# KiCad board VehicleControlUnit.kicad_pcb
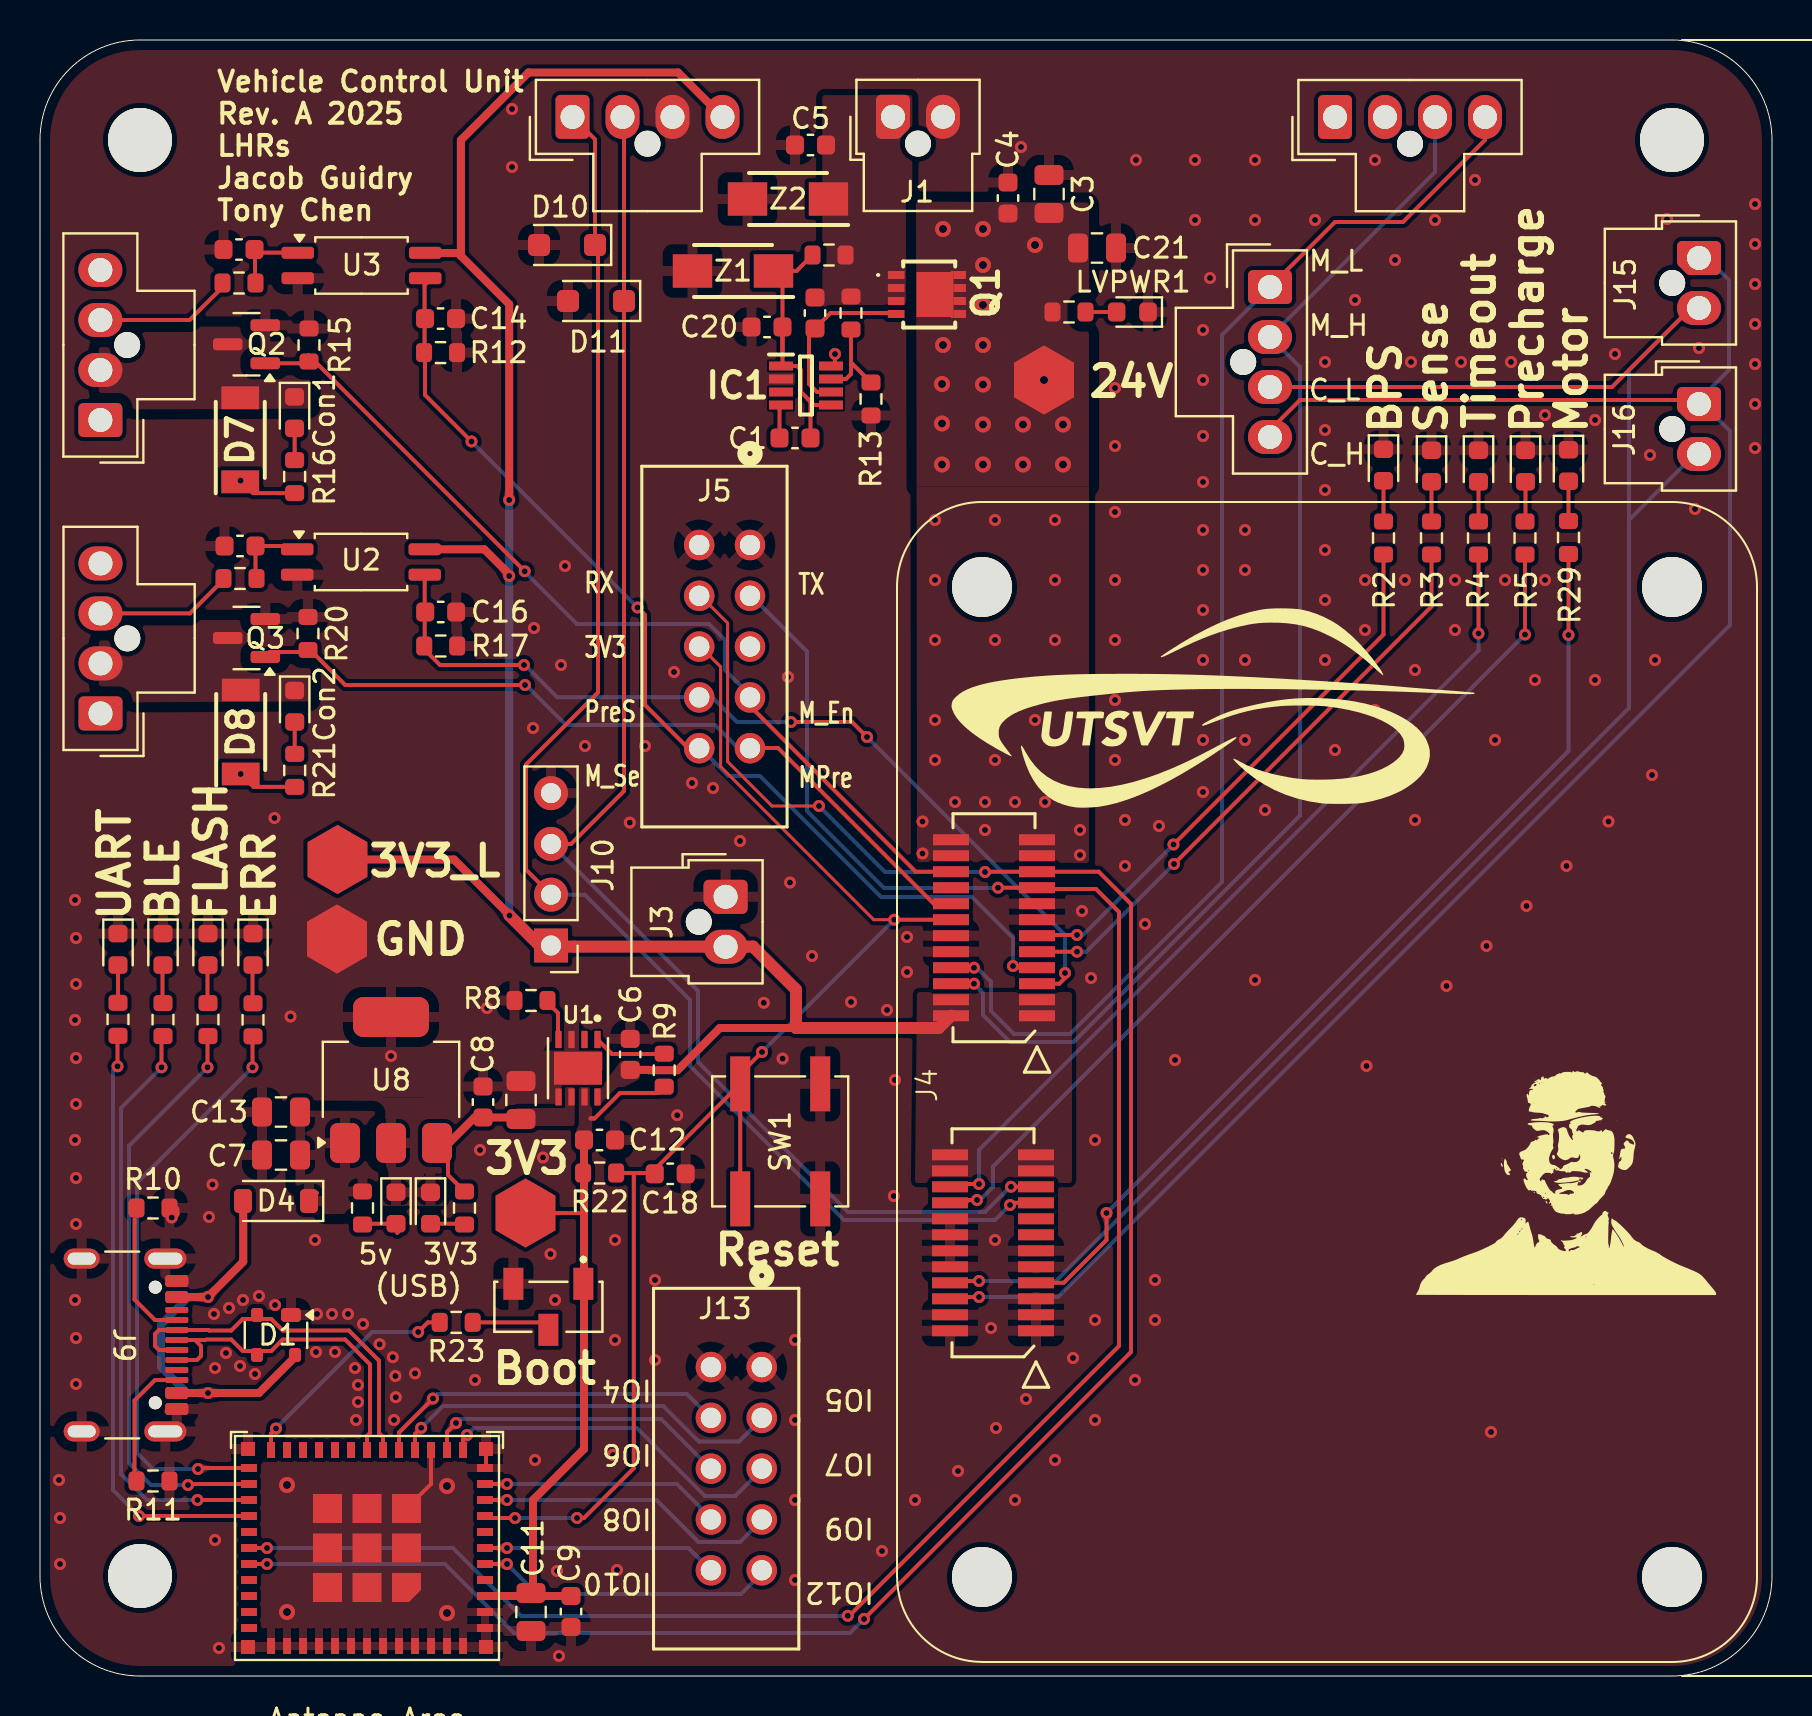
[diagram p0: board, top side]
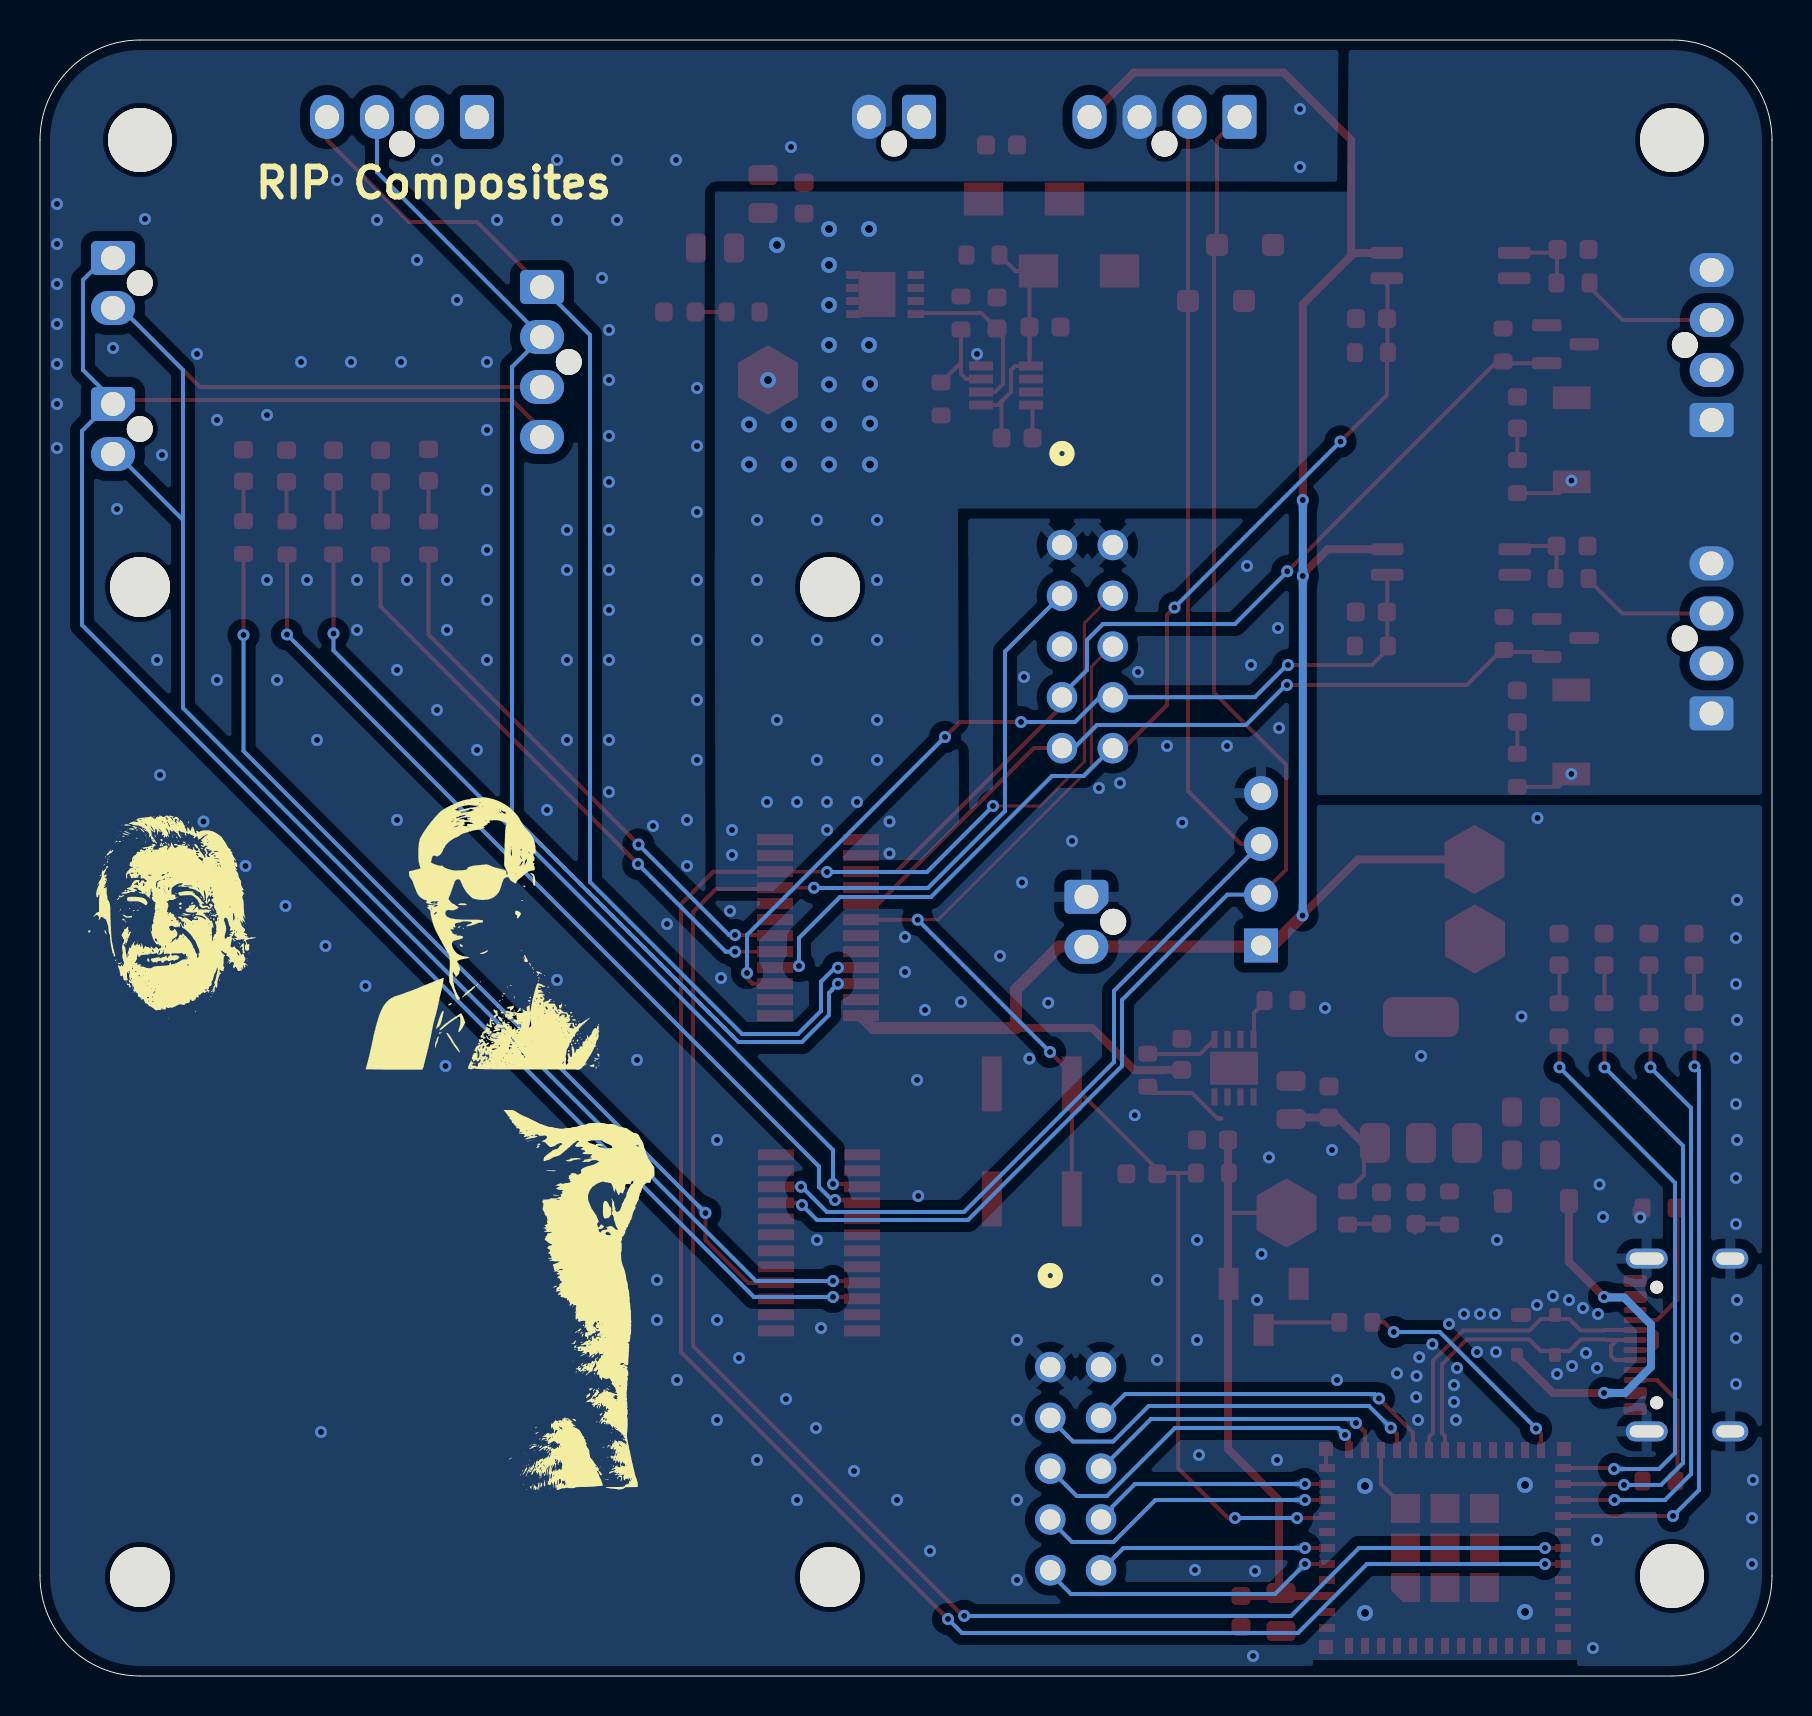
[diagram p1: board, bottom side, seen from below]

Outline 86.6 x 81.8 mm; copper layers: Top, Bottom. Coordinates in mm from the lower left corner of the outline.
Outline path: 0,76.8 arc(1.46,80.34) 5,81.8 81.6,81.8 arc(85.14,80.34) 86.6,76.8 86.6,5 arc(85.14,1.46) 81.6,0 5,0 arc(1.46,1.46) 0,5 0,76.8
Stack: Top 0.035mm / dielectric 1.51mm FR4 er 4.5 / Bottom 0.035mm

## Placement (name value [footprint] x y rotation side)
3V3_LSOM1  TestPoint  [TestPoint_HEX_3mmID#2]  14.88 40.83 0 top
3V31  TestPoint  [TestPoint_HEX_3mmID#2]  24.28 23.15 0 top
24V_TP1  TestPoint  [TestPoint_HEX_3mmID]  50.25 64.8 0 top
C1  220n  [C_0603_1608Metric]  37.75 61.9 180 top
C2  22n  [C_0603_1608Metric]  38.75 68.15 90 top
C3  10u  [C_0805_2012Metric]  50.45 74.1 90 top
C4  0.1u  [C_0603_1608Metric]  48.4 73.9 90 top
C5  0.1u  [C_0603_1608Metric]  38.53 76.55 180 top
C6  0.1u  [C_0603_1608Metric]  29.51 31.08 90 top
C7  10u  [C_0805_2012Metric]  12.05 26.05 180 top
C8  0.1u  [C_0603_1608Metric]  22.15 28.7 90 top
C9  0.1u  [C_0603_1608Metric]  26.55 3.23 270 top
C10  10u  [C_0805_2012Metric]  24.05 28.8 90 top
C11  10u  [C_0805_2012Metric]  24.55 3.2 270 top
C12  0.1u  [C_0603_1608Metric]  27.97 26.8 0 top
C13  10u  [C_0805_2012Metric]  12.05 28.2 180 top
C14  1u  [C_0603_1608Metric]  20.03 67.87 180 top
C15  0.1u  [C_0603_1608Metric]  9.95 71.33 0 top
C16  1u  [C_0603_1608Metric]  20.03 53.2 180 top
C17  0.1u  [C_0603_1608Metric]  10 56.5 0 top
C18  0.1u  [C_0603_1608Metric]  31.51 25.11 0 top
C20  1u  [C_0603_1608Metric]  36.35 67.45 0 top
C21  10u  [C_0805_2012Metric]  52.85 71.4 0 top
Con1  LED  [LED_0603_1608Metric]  12.73 63.17 270 top
Con2  LED  [LED_0603_1608Metric]  12.73 48.49 270 top
D1  SP0503BAHT  [SOT-143]  11.8 17.05 270 top
D2  PWR  [LED_0603_1608Metric]  17.8 23.4 270 top
D3  PWR  [LED_0603_1608Metric]  19.53 23.4 270 top
D4  1N5819HW-7-F  [D_SOD-123]  11.8 23.75 180 top
D7  D  [SODFL4724X108N]  10.01 61.81 90 top
D8  D  [SODFL4724X108N]  10.03 47.2 90 top
D10  TVS  [D_SOD-123F]  26.35 71.55 180 top
D11  TVS  [D_SOD-123F]  27.8 68.75 180 top
G***  -  [LOGO]  76.3 25.65 0 top
G***#2  -  [LHRs_LOGO]  55.22 78.88 0 top
G***#3  -  [LOGO]  58.83 48.33 0 top
G***#4  -  [LOGO]  80.53 37.44 180 bottom
G***#5  -  [LOGO]  59.75 18.8 180 bottom
H1  MountingHole  [MountingHole_3.2mm_M3]  5 76.8 0 top
H2  MountingHole  [MountingHole_3.2mm_M3]  81.6 76.8 0 top
H3  MountingHole  [MountingHole_3.2mm_M3]  5 5 0 top
IC1  LM74502HDDFR  [SOT65P280X110-8N]  38.3 64.53 0 top
J1  CarLVPowerConnector  [Molex_Nano-Fit_105309-xx02_1x02_P2.50mm_Vertical]  42.65 77.96 90 top
J2  Conn_01x04  [Molex_Nano-Fit_105309-xx04_1x04_P2.50mm_Vertical]  29.69 77.7 90 top
J3  Conn_01x02  [Molex_Nano-Fit_105309-xx02_1x02_P2.50mm_Vertical]  34.28 38.96 0 top
J4  ~  [LeaderSOM]  41.65 29.54 90 top
J5  SFH11-PBPC-D05-ST-BK  [CONN_SFH11-xxxC-D05-ST-XX_SUL]  35.5 56.55 270 top
J6  ContactorConnector  [Molex_Nano-Fit_105309-xx04_1x04_P2.50mm_Vertical]  3.28 51.2 180 top
J7  ContactorConnector  [Molex_Nano-Fit_105309-xx04_1x04_P2.50mm_Vertical]  3.28 65.87 180 top
J8  Conn_01x04  [Molex_Nano-Fit_105309-xx04_1x04_P2.50mm_Vertical]  61.24 66.38 0 top
J9  USB_C_Receptacle_USB2.0_16P  [USB_C_Receptacle_GCT_USB4105-xx-A_16P_TopMnt_Horizontal]  3.16 16.55 270 top
J10  Conn_01x04  [PinHeader_1x04_P2.54mm_Vertical]  25.55 36.53 180 top
J13  SFH11-PBPC-D05-ST-BK  [CONN_SFH11-xxxC-D05-ST-XX_SUL]  36.09 15.45 270 top
J14  PeripheralCAN  [Molex_Nano-Fit_105309-xx04_1x04_P2.50mm_Vertical]  67.82 77.69 90 top
J15  CarCANConnector  [Molex_Nano-Fit_105309-xx02_1x02_P2.50mm_Vertical]  82.95 70.9 0 top
J16  CarCANConnector  [Molex_Nano-Fit_105309-xx02_1x02_P2.50mm_Vertical]  82.95 63.6 0 top
LED1  LED  [LED_0603_1608Metric]  67.18 60.55 270 top
LED2  LED  [LED_0603_1608Metric]  69.57 60.5 270 top
LED3  LED  [LED_0603_1608Metric]  71.93 60.5 270 top
LED4  LED  [LED_0603_1608Metric]  74.28 60.5 270 top
LED5  LED  [LED_0603_1608Metric]  76.43 60.53 270 top
LOGO1  Dr. Hallock  [Hallock_Image_Tiny]  64.95 37.3 180 bottom
LV1  LED  [LED_0603_1608Metric]  10.65 36.33 270 top
LV2  LED  [LED_0603_1608Metric]  8.4 36.33 270 top
LV3  LED  [LED_0603_1608Metric]  6.15 36.33 270 top
LV4  LED  [LED_0603_1608Metric]  3.9 36.33 270 top
LVGND_TP1  TestPoint  [TestPoint_HEX_3mmID#3]  14.25 36.85 0 top
LVPWR1  LED  [LED_0603_1608Metric]  54.62 68.2 180 top
Q1  -  [PSMN8R5-40MSDX]  44.46 69.08 270 top
Q2  IRLML0030  [SOT-23]  10.33 66.59 180 top
Q3  IRLML0030  [SOT-23]  10.33 51.9 180 top
R1  4.3k  [R_0603_1608Metric]  51.45 68.2 0 top
R2  120  [R_0603_1608Metric]  67.18 56.9 90 top
R3  120  [R_0603_1608Metric]  69.57 56.9 90 top
R4  120  [R_0603_1608Metric]  71.93 56.9 90 top
R5  120  [R_0603_1608Metric]  74.25 56.9 90 top
R6  450  [R_0603_1608Metric]  16.12 23.4 270 top
R7  120  [R_0603_1608Metric]  21.22 23.4 270 top
R8  1k  [R_0603_1608Metric]  24.55 33.78 180 top
R9  10k  [R_0603_1608Metric]  31.21 30.29 90 top
R10  5.1k  [R_0603_1608Metric]  5.65 23.4 0 top
R11  5.1k  [R_0603_1608Metric]  5.65 9.75 0 top
R12  10k  [R_0603_1608Metric]  20.03 66.17 0 top
R13  9k  [R_0603_1608Metric]  41.55 63.85 270 top
R14  1k  [R_0603_1608Metric]  9.95 69.65 0 top
R15  10k  [R_0603_1608Metric]  13.45 66.55 90 top
R16  4.3k  [R_0603_1608Metric]  12.73 59.97 270 top
R17  10k  [R_0603_1608Metric]  20.03 51.5 0 top
R18  10k  [R_0603_1608Metric]  39.45 71.05 180 top
R19  1k  [R_0603_1608Metric]  10 54.88 0 top
R20  10k  [R_0603_1608Metric]  13.4 52.13 90 top
R21  4.3k  [R_0603_1608Metric]  12.73 45.28 270 top
R22  10k  [R_0603_1608Metric]  27.98 25.15 0 top
R23  10k  [R_0603_1608Metric]  20.81 17.68 0 top
R24  120  [R_0603_1608Metric]  10.65 32.81 90 top
R25  120  [R_0603_1608Metric]  8.4 32.82 90 top
R26  120  [R_0603_1608Metric]  6.15 32.82 90 top
R27  120  [R_0603_1608Metric]  3.9 32.83 90 top
R28  200k  [R_0603_1608Metric]  40.55 68.15 270 top
R29  120  [R_0603_1608Metric]  76.43 56.93 90 top
SW1  RESET  [SW_SPST_B3SL-1002P]  37.01 26.73 270 top
SW2  BOOT  [SW_CJS-1200TA]  25.42 18.46 180 top
U1  TPS2115ADRBR  [SON65P300X300X100-9N]  26.9 30.39 270 top
U2  -  [EL3H7]  16.05 55.7 0 top
U3  -  [EL3H7]  16.08 70.53 0 top
U4  ESP32-C6-MINI-1/U  [ESP32-C6-MINI-1]  16.35 3.7 180 top
U8  LT1963AEST-3.3#TRPBF  [SOT-223-3_TabPin2]  17.55 29.8 90 top
Z1  SMAF4751A-TP  [SODFL5026X125N]  34.65 70.25 180 top
Z2  SMAF4751A-TP  [SODFL5026X125N]  37.4 73.85 180 top

## Library data of the parts
3V3_LSOM1 3V31 24V_TP1 LVGND_TP1 = -: Description: test point; ki_fp_filters: Pin* Test*
C1 = -: Description: Unpolarized capacitor; LCSC: C344195; ki_fp_filters: C_*
C2 = -: Description: Unpolarized capacitor; LCSC: C21122; ki_fp_filters: C_*
C3 C11 C21 = -: Description: Unpolarized capacitor; LCSC: C440198; ki_fp_filters: C_*
C4 C5 C9 C15 C17 C18 = -: Description: Unpolarized capacitor; LCSC: C14663; ki_fp_filters: C_*
C6 C8 C12 = -: Description: Unpolarized capacitor; P/N: UMK107B7104KAHT; LCSC: C14663; ki_fp_filters: C_*
C7 = -: Description: Unpolarized capacitor; P/N: UMK107B7104KAHT; LCSC: C440198; ki_fp_filters: C_*
C10 C13 = -: Description: Unpolarized capacitor; P/N: MLAST168BB5106MTNA01; LCSC: C440198; ki_fp_filters: C_*
C14 C16 C20 = -: Description: Unpolarized capacitor; LCSC: C15849; ki_fp_filters: C_*
Con1 Con2 LED1-LED5 LV1-LV4 LVPWR1 = -: Description: Light emitting diode; Sim.Pins: 1=K 2=A; LCSC: C7371904; ki_fp_filters: LED* LED_SMD:* LED_THT:*
D1 = -: Datasheet: http://www.littelfuse.com/~/media/files/littelfuse/technical%20resources/documents/data%20sheets/sp05xxba.pdf; Mouser Part Number: 576-SP0503BAHTG; P/N: SP0503BAHTG; ki_fp_filters: SOT?143*
D2 D3 = -: Description: Light emitting diode; P/N: HSML-C191; Sim.Pins: 1=K 2=A; LCSC: C7371904; ki_fp_filters: LED* LED_SMD:* LED_THT:*
D4 = -: Description: Schottky diode; ki_fp_filters: TO-???* *_Diode_* *SingleDiode* D_*
D7 D8 = -: Description: Diode; Sim.Pins: 1=K 2=A; ki_fp_filters: TO-???* *_Diode_* *SingleDiode* D_*
D10 D11 = -: Datasheet: https://www.littelfuse.com/assetdocs/tvs-diodes-smf3?assetguid=2e80cd26-b0c3-442f-9d77-27a283ccff4f; Description: Zener diode; P/N: SMF3.3; ki_fp_filters: TO-???* *_Diode_* *SingleDiode* D_*
H1-H3 = -: Description: Mounting Hole without connection; ki_fp_filters: MountingHole*
IC1 = -: Datasheet: https://www.ti.com/lit/ds/symlink/lm74502h.pdf?HQS=dis-mous-null-mousermode-dsf-pf-null-wwe&ts=1659509238199&ref_url=https%253A%252F%252Fwww.mouser.vn%252F; Description: Hot Swap Voltage Controllers 3.2-V to 65-V industrial RPP controller with load disconnect, OVP, and high gate drive; Height: 1.1; Mouser Part Number: 595-LM74502HDDFR; Mouser Price/Stock: https://www.mouser.co.uk/ProductDetail/Texas-Instruments/LM74502HDDFR?qs=t7xnP681wgWDbfat8Yg%252B%2Fg%3D%3D; Manufacturer_Name: Texas Instruments
J1 = -: Description: Connector for the car's 24V power bus
J2 J8 J10 = -: Description: Generic connector, single row, 01x04, script generated (kicad-library-utils/schlib/autogen/connector/); ki_fp_filters: Connector*:*_1x??_*
J3 = -: Description: Generic connector, single row, 01x02, script generated (kicad-library-utils/schlib/autogen/connector/); ki_fp_filters: Connector*:*_1x??_*
J4 = -: Datasheet: https://www.molex.com/en-us/products/part-detail/533072471; Description: Symbol for both board-to-board connectors from the LeaderSOM; Height: 3.55; Mouser Part Number: 538-52465-2470; Mouser Price/Stock: https://www.mouser.co.uk/ProductDetail/Molex/52465-2470?qs=sEN%2FkO1EG6Yhu4DkZwbE7Q%3D%3D; Manufacturer_Name: Molex; P/N: 52465-2470
J5 J13 = -: Datasheet: https://www.digikey.com/en/products/detail/sullins-connector-solutions/SFH11-PBPC-D05-ST-BK/1990087?gclsrc=aw.ds&gad_source=1&gad_campaignid=120565755&gbraid=0AAAAADrbLljEsXDDEt5svizMM4jeYrL-A&gclid=Cj0KCQjwwZDFBhCpARIsAB95qO2YCKMg2VQme3QQBBCFa3dTLVMMS-qCbMZE8KZJpYe-_Bi6ULwi-x0aAvv3EALw_wcB; Description: Connector interfacing with logic analyzers; ki_fp_filters: CONN_SFH11-xxxC-D05-ST-XX_SUL
J6 J7 = -: Description: Pinout for contactor connectors.
J9 = -: Datasheet: https://www.usb.org/sites/default/files/documents/usb_type-c.zip; Description: USB 2.0-only 16P Type-C Receptacle connector; P/N: 640-USB4215-03-A; ki_fp_filters: USB*C*Receptacle*
J14 = -: Datasheet: https://www.mouser.com/ProductDetail/Molex/105309-1204?qs=PqFvFmEiOr6mDAWV2BJKbg%3D%3D&srsltid=AfmBOopk7YsqdMLo2_DAHKaHKt3Hg126ooPXYWv5Q2Pfx6rW7DaYZCT2; Description: Connection to the car's Peripheral CAN bus.; P/N: 105309-1204
J15 J16 = -: Datasheet: https://www.digikey.com/en/products/detail/molex/1053091102/7693146; Description: Connector; P/N: 1053091102
LOGO1 = -: Description: Graph footprint placeholder
Q1 = -: Datasheet: https://assets.nexperia.com/documents/data-sheet/PSMN8R5-40MSD.pdf; Description: MOSFETs PSMN8R5-40MSD/SOT1210/mLFPAK; Height: 1; Mouser Part Number: 771-PSMN8R5-40MSDX; Mouser Price/Stock: https://www.mouser.co.uk/ProductDetail/Nexperia/PSMN8R5-40MSDX?qs=vHuUswq2%252BswjdnYdBdHaPw%3D%3D; Manufacturer_Name: Nexperia
Q2 Q3 = -: Datasheet: https://www.infineon.com/dgdl/irlml0030pbf.pdf?fileId=5546d462533600a401535664773825df; Description: 5.3A Id, 30V Vds, 27mOhm Rds, N-Channel HEXFET Power MOSFET, SOT-23; ki_fp_filters: SOT?23*
R1 R16 R21 = -: Description: Resistor, US symbol; LCSC: C23162; ki_fp_filters: R_*
R2-R5 R7 R24-R27 R29 = -: Description: Resistor, US symbol; LCSC: C22787; ki_fp_filters: R_*
R6 = -: Description: Resistor, US symbol; LCSC: C23179; ki_fp_filters: R_*
R8 R14 R19 = -: Description: Resistor, US symbol; LCSC: C21190; ki_fp_filters: R_*
R9 R12 R15 R17 R18 R20 R22 R23 = -: Description: Resistor, US symbol; LCSC: C25804; ki_fp_filters: R_*
R10 R11 = -: Description: Resistor, US symbol; LCSC: C23186; ki_fp_filters: R_*
R13 = -: Description: Resistor, US symbol; LCSC: C23260; ki_fp_filters: R_*
R28 = -: Description: Resistor, US symbol; LCSC: C25811; ki_fp_filters: R_*
SW1 = -: Datasheet: http://www.apem.com/int/index.php?controller=attachment&id_attachment=488; Description: MEC 5G single pole normally-open tactile switch; P/N: EVQ-7Q203W or B3SL-1002P; ki_fp_filters: SW*MEC*5G*
SW2 = -: Description: Switch, single pole double throw
U1 = -: Description: 2.8-5.5-V, 84-m?, 1.25-A, power mux with manual, automatic switchover and status output 8-SON -40 to 85; MF: Texas Instruments; MOUSER-PURCHASE-URL: https://snapeda.com/shop?store=Mouser&id=391793; PACKAGE: VSON-8 Texas Instruments; PRICE: None; TEXAS_INSTRUMENTS-PURCHASE-URL: https://snapeda.com/shop?store=Texas+Instruments&id=391793; AVAILABILITY: Warning
U2 U3 = -: Datasheet: https://www.digikey.com/en/products/detail/everlight-electronics-co-ltd/EL3H7-D-TA-VG/2692979; Description: OPTOISO 3.75KV 1CH TRANS 4-SSOP; P/N: EL3H7(D)(TA)-VG; Vf: 1.4V; If: 20mA; ki_fp_filters: SOP*4.4x2.6mm*P1.27mm*
U4 = -: Datasheet: https://www.espressif.com/sites/default/files/documentation/esp32-c6-mini-1_datasheet_en.pdf; Description: ESP32-C6-MINI-1 is a module that supports 2.4 GHz Wi-Fi 6 (802.11 ax), Bluetooth® 5 (LE), Zigbee and Thread (802.15.4)